# Allegro board pc065b_toplevel_06.brd (continued)
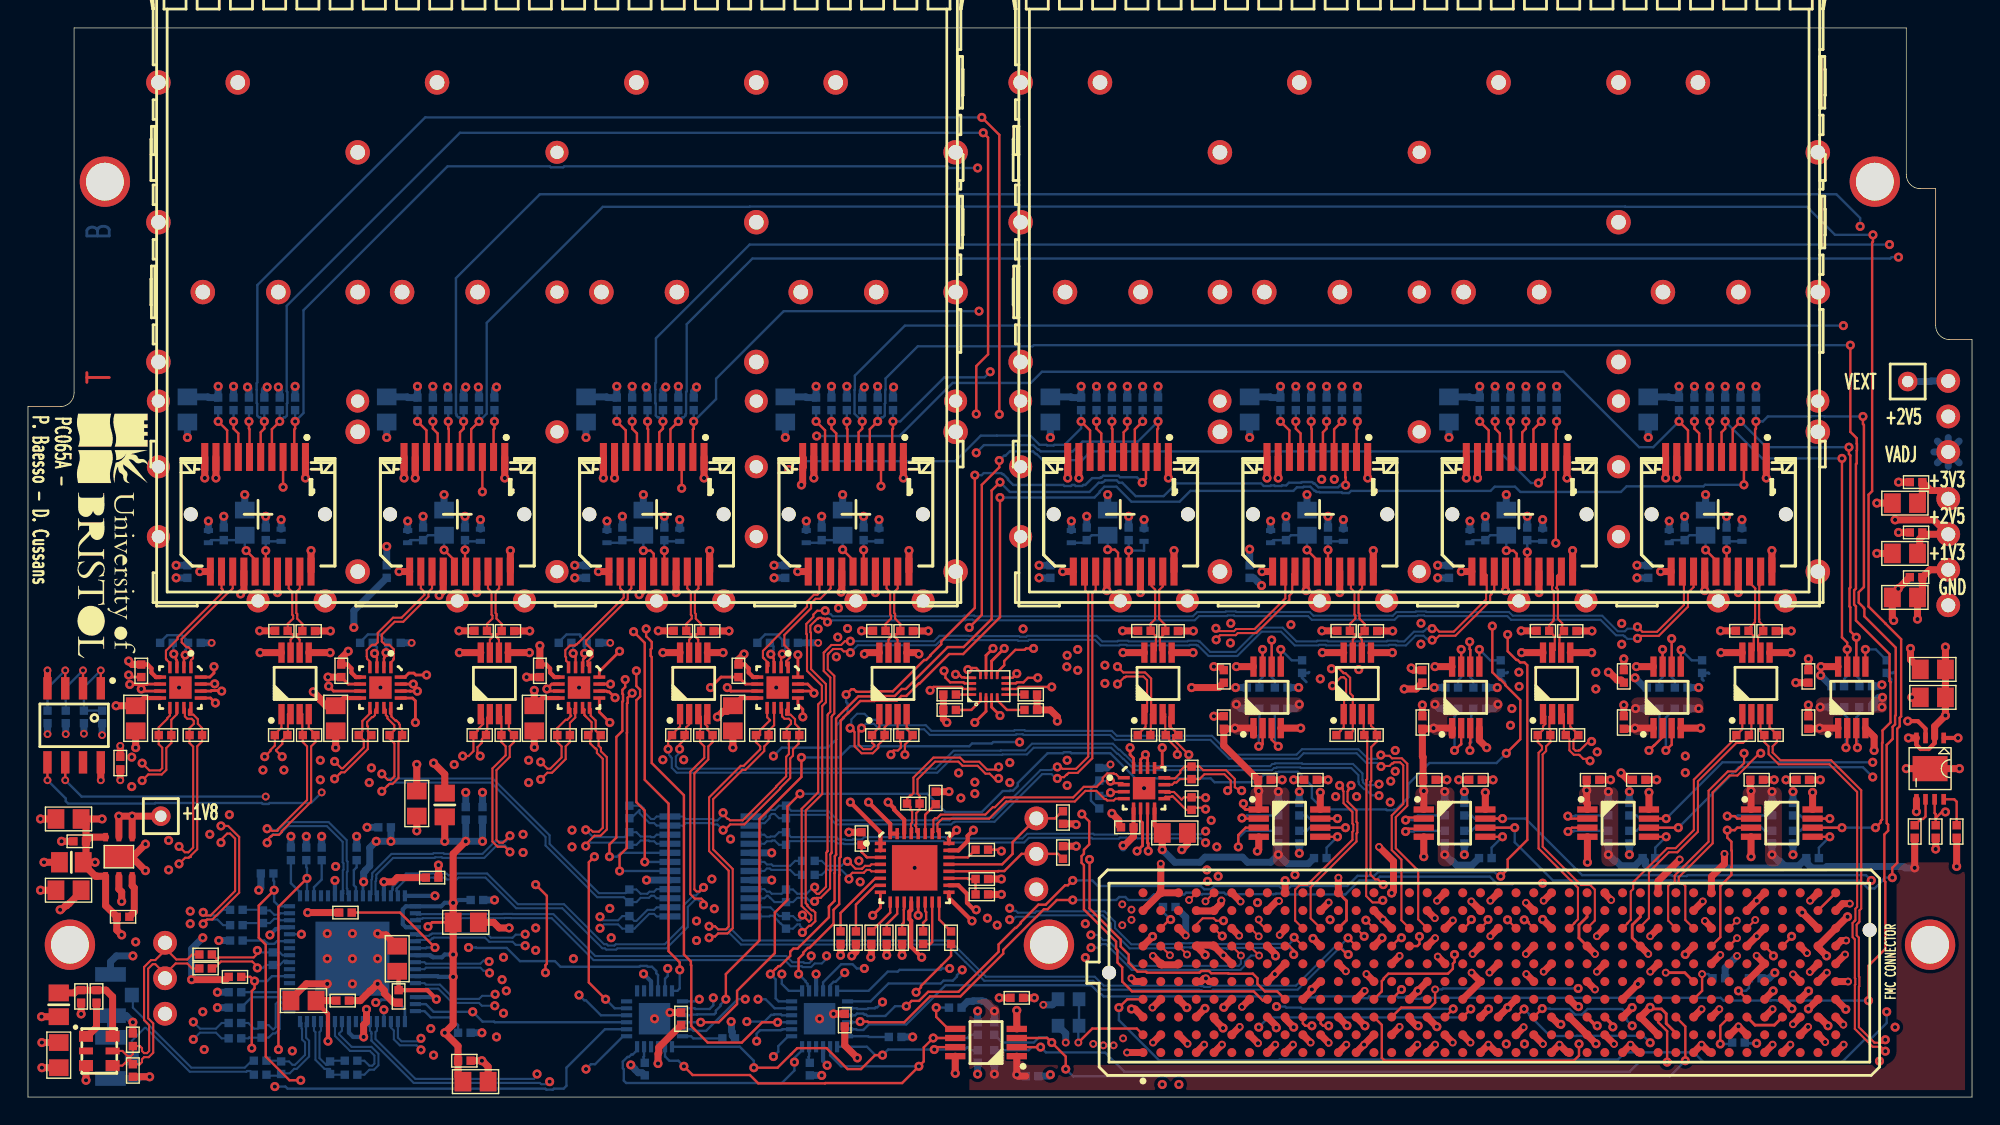
[diagram p0: board, top side]
## Routing (per net, layer and track width the routed paths; a pad name or vN(x,y) marks a point on that pad's centre or on a via; arc(x,y) is an arc through that point) (continued)
  BOTTOM w0.15: v1(28.1,4.2) 28.1,4.14 27.95,3.99 26.71,3.99 26.45,4.25 IC3.50
CLK_MAIN_N<8>: length 72.1
  TOP w0.15: 82.27,10.8 v2(82.87,10.2)
  L3_SIG w0.15: v1(36.4,1.65) 36.45,1.7 37.29,1.7 37.33,1.66 37.53,1.66 38.21,0.99 74.26,0.99 74.31,1.04 78.19,1.04 79.01,1.85 81.23,1.85 81.41,1.67 81.54,1.67 82.29,0.91 v1(82.29,0.9)
  L6_SIG w0.15: v1(82.29,0.9) 81.96,1.23 81.96,9.73 82.17,9.94 82.17,9.96 82.27,10.07 82.27,10.08 82.39,10.2 v2(82.87,10.2)
  BOTTOM w0.15: IC3.53 24.95,4.75 24.85,4.65 24.85,4.15 27.7,1.3 36.19,1.3 v1(36.4,1.65)
CLK_MAIN_P<0>: length 21
  TOP w0.15: v1(17.1,19.2) 17.3,19.2 17.45,19.05 17.82,19.05 17.85,19.08 17.85,19.15 19.95,21.25 19.95,25.09 19.65,25.4 R186.1 19.61,25.94 19.61,27.4 U3.3
  BOTTOM w0.15: v1(17.1,19.2) 17.42,19.2 17.53,19.09 17.89,19.09 18.48,19.68 21.5,19.68 22.79,18.38 22.79,16.91 22.85,16.85 22.85,16.15 22.8,16.1 22.8,14.93 22.84,14.9 22.84,14.52 IC3.24
CLK_MAIN_P<1>: length 23.6
  TOP w0.15: U4.3 33.85,27.23 R188.1 33.85,25.4 34.16,25.09 34.16,24.45 33.21,23.51 33.21,18.28 33.58,17.91 34.09,17.91 v1(34.46,17.54)
  BOTTOM w0.15: v1(34.46,17.54) 34.46,17.64 34.1,18 33.51,18 32.62,17.11 29.63,17.11 29.58,17.16 29.12,17.16 29.07,17.11 26.11,17.11 24.91,15.91 24.91,15.65 24.89,15.63 24.89,15.47 24.85,15.43 24.85,14.5 IC3.28
CLK_MAIN_P<2>: length 42.5
  TOP w0.15: v1(48.3,13.75) 48.3,14.05 48.15,14.2 47.68,14.2 47.36,14.52 47.36,23.28 48.35,24.28 48.35,25.09 48.05,25.4 R190.1 48.05,26.3 48.12,26.37 48.12,27.21 47.92,27.4
  BOTTOM w0.15: IC3.31 26.45,14.63 26.36,14.72 26.36,14.78 26.36,14.78 26.36,14.91 26.39,14.94 26.39,14.94 27.15,15.7 29.01,15.7 29.02,15.7 29.83,15.7 29.96,15.57 30.64,15.57 30.78,15.7 32.71,15.7 34.9,13.51 38.2,13.51 41.07,10.65 41.25,10.65 41.35,10.55 42.05,10.55 42.15,10.65 45.66,10.65 47.17,12.16 47.17,13.6 47.71,14.13 47.92,14.13 v1(48.3,13.75)
CLK_MAIN_P<3>: length 55
  TOP w0.15: v1(61.7,24.5) 61.78,24.58 61.78,24.69 61.89,24.8 62.2,24.8 62.41,25 62.41,25.34 62.35,25.4 R192.1 62.17,26.08 U6.3
  L6_SIG w0.15: v1(61.7,24.5) 61.77,24.57 61.77,24.78 61.5,25.05 61.5,25.16 61.17,25.49 58.49,25.49 57.13,24.13 57.13,12.61 56.81,12.29 56.81,10.39 v1(57.1,10.1)
  BOTTOM w0.15: IC3.35 27.82,12.77 28.2,12.77 28.23,12.8 34.07,12.8 34.09,12.82 34.51,12.82 34.53,12.8 37.44,12.8 40.44,9.8 54.1,9.8 54.54,9.36 55.33,9.36 55.39,9.3 55.99,9.3 56.25,9.56 56.76,9.56 57.1,9.9 v1(57.1,10.1)
CLK_MAIN_P<4>: length 73.9
  TOP w0.15: 81.31,27.21 81.31,25.94 R200.1 81.42,25.9 81.59,25.73 81.59,25.49 82.18,24.91 v1(82.18,24.51) ; 81.31,27.21 81.31,27.4 U10.3 81.31,27.21
  L3_SIG w0.15: v1(35.55,10.83) 35.89,11.18 38.52,11.18 39.41,10.29 47.69,10.29 47.7,10.28 48.38,10.28 48.39,10.29 55.33,10.29 56.28,11.24 70.47,11.24 72.16,12.94 72.17,12.94 72.33,13.09 76.76,13.09 79.17,15.5 84.05,15.5 84.11,15.44 v1(84.34,15.44)
  L6_SIG w0.15: v1(82.18,24.51) 82.18,23.58 83.19,22.57 83.19,17.94 83.22,17.91 83.22,17.49 83.19,17.46 83.19,15.91 83.8,15.3 84.2,15.3 v1(84.34,15.44)
  BOTTOM w0.15: v1(35.55,10.83) 35.49,10.89 34.87,10.89 34.65,11.11 32.98,11.11 32.68,11.41 29.01,11.41 28.95,11.35 28.89,11.35 28.78,11.25 28.11,11.25 28.1,11.24 28.09,11.24 28.08,11.25 27.8,11.25 IC3.38
CLK_MAIN_P<5>: length 87.9
  TOP w0.15: v1(96.87,14.07) 96.72,13.93 96.14,13.93 95.68,14.38 95.68,15.77 95.7,15.79 95.7,22.69 95.75,22.75 95.75,25.75 95.61,25.9 R198.1 95.55,26 95.5,26.05 95.5,27.4 U9.3
  L3_SIG w0.15: v1(96.87,14.07) 96.37,14.07 96,13.7 95.67,13.7 94.56,12.59 94.56,12.51 94.06,12.01 93.98,12.01 89.63,7.66 84.73,7.66 84.64,7.58 83.96,7.58 83.91,7.63 83.76,7.63 83.73,7.66 68.12,7.66 67.64,8.15 59.68,8.15 59.48,7.95 56.73,7.95 56.71,7.93 52.72,7.93 52.7,7.95 49.41,7.95 49.37,7.99 48.63,7.99 48.59,7.95 44.78,7.95 44.77,7.94 43.65,7.94 41.61,7.95 41.57,7.99 40.83,7.99 40.79,7.95 35.72,7.95 34.67,8.99 33.78,8.99 33.58,9.19 33.44,9.19 33.28,9.04 33.16,9.04 v1(33,8.88)
  BOTTOM w0.15: v1(33,8.88) 32.85,9.04 32.57,9.04 32.35,9.26 28.45,9.26 28.35,9.15 IC3.42
CLK_MAIN_P<6>: length 111.9
  TOP w0.15: U8.3 109.81,27.4 109.81,26.04 R196.1 110.21,25.64 110.21,24.81 110.53,24.49 110.89,24.49 110.91,24.47 110.93,24.47 111.2,24.2 111.55,24.2 v1(111.69,24.06)
  L3_SIG w0.15: v1(105.7,3.8) 105.7,4.37 104.67,5.4 101.2,5.4 101,5.6 99.7,5.6 99.63,5.66 94.55,5.66 94.54,5.67 90,5.67 89.93,5.6 88.43,5.6 88.39,5.56 87.61,5.56 87.57,5.6 85.91,5.6 85.86,5.55 85.14,5.55 85.09,5.6 84.64,5.6 84.52,5.48 83.68,5.48 83.6,5.4 80.83,5.4 80.76,5.33 80.04,5.33 79.97,5.4 71.13,5.4 71.06,5.33 70.34,5.33 70.27,5.4 69.58,5.4 69.46,5.28 68.74,5.28 68.62,5.4 68.38,5.4 68.26,5.28 67.54,5.28 67.42,5.4 66.57,5.4 66.38,5.59 65.36,5.59 65.3,5.53 64.58,5.53 64.52,5.59 60.84,5.59 60.18,6.25 59.45,6.25 59.24,6.45 57.89,6.45 57.83,6.51 57.37,6.51 57.31,6.45 56.09,6.45 55.83,6.19 52.62,6.19 52.56,6.13 50.63,6.13 50.55,6.05 47.89,6.05 47.88,6.03 47.07,6.03 46.45,6.65 44.79,6.65 44.27,6.13 38.83,6.13 38.31,6.65 33.54,6.65 33.42,6.53 v1(33.38,6.53)
  L6_SIG w0.15: v1(111.69,24.06) 111.55,24.2 111.2,24.2 111,24.4 110.72,24.4 109.41,23.09 109.41,5.8 109.04,5.43 109.04,5.23 108.53,4.72 108.53,4.56 108.29,4.32 108.11,4.32 107.81,4.01 107.81,3.83 107.56,3.59 107.56,3.57 107.23,3.24 106.26,3.24 v1(105.7,3.8)
  BOTTOM w0.15: v1(33.38,6.53) 32.45,6.53 32.25,6.73 30.36,6.73 29.33,7.76 28.45,7.76 28.35,7.65 IC3.45
CLK_MAIN_P<7>: length 141.5
  TOP w0.15: U7.3 123.88,26.18 R194.1 124.15,25.4 124.45,25.09 124.45,24.53 125.18,23.81 128.81,23.81 130.79,21.83 130.79,13.6 130.66,13.47 130.66,12.67 130.61,12.61 130.61,12.6 130.46,12.45 130.46,11.45 130.62,11.29 130.62,8.51 130.65,8.48 130.65,8.05 130.62,8.02 130.62,4.88 131.9,3.6 132.48,3.6 v1(132.8,3.28)
  L3_SIG w0.15: v1(28.1,3.38) 28.3,3.38 28.39,3.47 28.68,3.47 28.77,3.56 29.63,3.56 29.7,3.49 32.82,3.49 32.87,3.45 33.12,3.45 33.14,3.43 33.86,3.43 33.88,3.45 35.54,3.45 35.62,3.53 37.18,3.53 37.26,3.45 45.45,3.45 45.65,3.25 51.49,3.25 51.51,3.22 51.53,3.22 51.56,3.19 51.68,3.19 51.74,3.13 52.46,3.13 52.58,3.25 52.85,3.25 53.07,3.46 53.53,3.46 53.58,3.42 60.19,3.42 60.39,3.61 61.75,3.61 62.37,2.99 63.91,2.99 64.4,2.5 65.9,2.5 66.09,2.69 71.81,2.69 71.98,2.52 73.92,2.52 73.97,2.56 74.43,2.56 74.48,2.52 75.28,2.52 75.55,2.25 86.92,2.25 87.31,1.85 110.24,1.85 110.29,1.9 115.47,1.9 115.74,1.63 118.76,1.63 119.03,1.9 130.4,1.9 132.1,3.6 132.48,3.6 v1(132.8,3.28)
  BOTTOM w0.15: v1(28.1,3.38) 27.78,3.7 26.59,3.7 26.16,4.13 26.16,4.76 25.95,4.97 IC3.51
CLK_MAIN_P<8>: length 70.9
  TOP w0.15: v2(81.65,10.15) 81,10.8
  L3_SIG w0.15: v1(81.1,0.9) 81.1,1.39 80.95,1.54 79.14,1.54 78.32,0.72 74.44,0.72 74.39,0.68 38.04,0.68 37.99,0.72 37.54,0.72 37.3,0.97 v1(37.3,1.1)
  L6_SIG w0.15: v2(81.65,10.15) 81.65,1.45 v1(81.1,0.9)
  BOTTOM w0.15: IC3.54 24.45,4.75 24.55,4.65 24.55,4.54 24.56,4.53 24.56,4.07 24.55,4.06 24.55,4.03 27.58,1.01 36.6,1.01 36.69,0.92 37.16,0.92 37.27,1.09 v1(37.3,1.1)
CLK_RST_B: length 38
  TOP w0.17: R9.2 15.9,8.6 v1(16.2,8.3) 16.2,7.78 16,7.58 v1(16,3.5)
  L3_SIG w0.17: v1(39.9,2) 39.55,2.35 39.44,2.35 39.38,2.4 36.92,2.4 36.77,2.55 36.03,2.55 35.88,2.4 34.67,2.4 33.92,1.66 20.75,1.66 20.3,2.1 16.91,2.1 16,3.01 v1(16,3.5)
  BOTTOM w0.17: IC3.6 17.45,8.65 17.1,8.3 v1(16.2,8.3) ; v1(39.9,2) 40.25,2.35 40.55,2.35 42.55,4.35 IC23.1
CLK_SI_N<0>: length 5.7
  BOTTOM w0.15: IC3.64 19.57,5.29 19.57,4.9 19.6,4.87 19.6,4.12 19.81,3.91 19.81,3.02 19.1,2.31 18.91,2.31 18.66,2.55 R13.2 18.05,2.6 C22.1
CLK_SI_N<1>: length 5.8
  BOTTOM w0.15: IC3.2 18.61,6.56 18.32,6.56 18.07,6.81 17.86,6.81 17.71,6.66 17.71,5 17.56,4.85 17.51,4.85 17.2,5.15 R14.2 16.45,4.9 16.16,4.9 15.75,5.3 C24.1
CLK_SI_N<2>: length 3.5
  BOTTOM w0.15: IC3.15 18.05,13.15 17.95,13.04 17.61,13.04 17.3,13.35 R15.2 16.75,13.4 C26.1
CLK_SI_N<3>: length 5.5
  BOTTOM w0.15: C28.1 21.65,1.6 R16.2 21.6,2.02 21.2,2.02 20.55,2.66 20.55,4.65 20.45,4.75 IC3.62
CLK_SI_P<0>: length 6.3
  BOTTOM w0.15: IC3.63 19.86,5.31 19.86,5.02 19.89,4.99 19.89,4.24 20.1,4.03 20.1,2.9 19.22,2.02 19.03,2.02 18.71,1.7 18.15,1.7 R13.1 17.98,1.53 17.12,1.53 C21.1
CLK_SI_P<1>: length 5.5
  BOTTOM w0.15: C23.1 15.75,4.2 15.82,4.26 15.83,4.25 R14.1 17.2,4.25 17.51,4.56 17.68,4.56 18,4.87 18,6.47 18.2,6.27 18.59,6.27 IC3.1
CLK_SI_P<2>: length 3.6
  BOTTOM w0.15: C25.1 15.5,12.45 R15.1 17.3,12.45 17.61,12.76 17.95,12.76 18.05,12.65 IC3.14
CLK_SI_P<3>: length 4.8
  BOTTOM w0.15: C27.1 21.65,2.6 R16.1 21.57,2.52 21.57,2.46 21.42,2.3 21.32,2.3 20.84,2.78 20.84,4.65 20.95,4.75 IC3.61
FMC_LA_N<2>: length 99.3
  TOP w0.15: v2(88,12.7) 88,12.52 88.44,12.08 J3.H8 ; U3.2 18.59,27.4 18.59,25.94 R1.2 18.19,25.54 18.19,25.27 17.74,24.82 17.74,24.79 v1(18.17,24.36)
  L3_SIG w0.15: v1(18.17,24.36) 17.78,24.75 17.78,27.68 20.81,30.71 27.39,30.71 27.44,30.66 28.17,30.66 28.27,30.76 28.73,30.76 28.83,30.66 31.24,30.66 31.7,31.12 35.14,31.12 35.27,30.99 35.43,30.99 35.49,30.93 36.22,30.93 36.28,30.99 38.51,30.99 38.62,30.88 39.44,30.88 39.44,30.88 40.16,30.88 40.27,30.99 40.83,30.99 40.96,31.12 41.84,31.12 41.94,31.03 42.66,31.03 42.76,31.12 44.04,31.12 44.47,30.69 53.4,30.69 53.51,30.58 54.19,30.58 54.33,30.72 57.29,30.72 57.37,30.64 57.43,30.64 57.44,30.63 58.16,30.63 58.21,30.67 58.94,30.67 58.99,30.72 64.66,30.72 65.06,31.13 66.8,31.13 66.89,31.22 67.31,31.22 67.4,31.13 73.76,31.13 73.97,30.92 74.15,30.92 v1(74.28,30.79) ; v2(78.9,13.41) 79.33,13.41 79.54,13.2 80.7,13.2 81.31,13.81 82.58,13.81 82.99,13.4 85.03,13.4 85.12,13.49 85.84,13.49 86.63,12.7 v2(88,12.7)
  L6_SIG w0.15: v1(74.28,30.79) 74.15,30.92 73.97,30.92 73.76,31.13 73.47,31.13 73.32,30.98 73.32,30.58 76.6,27.3 76.6,20.96 76.37,20.73 76.37,17.92 77.5,16.78 77.5,13.7 77.92,13.28 78.48,13.28 78.62,13.41 v2(78.9,13.41)
FMC_LA_N<3>: length 102.6
  TOP w0.15: v1(8.16,23.89) 8.68,23.37 9.44,23.37 9.6,23.53 9.6,25 9.35,25.25 R61.1 9.35,26.45 9.96,27.06 9.96,27.11 10.15,27.3 IC4.9 ; v1(90.53,11.43) 91.16,10.8
  L3_SIG w0.15: v1(8.16,23.89) 8.65,23.4 14.31,23.4 16.61,21.1 16.67,21.1 16.79,20.98 17.21,20.98 17.33,21.1 32.76,21.1 32.8,21.14 48.04,21.14 49.7,22.8 66.14,22.8 66.31,22.63 66.71,22.63 67.04,22.3 67.47,22.3 v1(67.7,22.53)
  L6_SIG w0.15: v1(70.19,13.51) 69.85,13.17 69.46,13.17 68.91,13.72 68.91,17.45 68.89,17.47 68.89,21.94 68.56,22.28 67.95,22.28 v1(67.7,22.53)
  BOTTOM w0.15: v1(90.53,11.43) 90.5,11.43 90.35,11.28 90.35,11.11 90.2,10.96 85.75,10.96 85.73,10.94 85.14,10.94 85.11,10.91 84.63,10.91 84.52,11.02 83.09,11.02 83.07,11.01 82.61,11.01 82.59,11.02 82.09,11.02 82.03,10.96 80.67,10.96 80.64,10.93 78.88,10.93 77.73,12.09 77.73,12.53 76.97,13.29 72.1,13.29 72,13.19 70.78,13.19 70.64,13.32 70.49,13.32 70.4,13.42 70.28,13.42 v1(70.19,13.51)
FMC_LA_N<4>: length 84.8
  TOP w0.15: J3.H11 91.71,12.79 91.71,15.01 94.99,18.29 94.99,18.86 95.05,18.92 95.05,19.63 94.99,19.69 94.99,20.51 94.35,21.15 94.35,21.87 94.41,21.92 94.41,21.99 94.6,22.18 v1(94.6,22.3) ; v1(32.33,24.4) 32.12,24.61 32.14,24.63 32.14,25.04 32.45,25.35 32.45,25.6 R187.2 32.75,26.2 32.84,26.29 32.84,27.15 32.89,27.2 32.89,27.26 33.02,27.4
  L3_SIG w0.15: v1(94.6,22.3) 94.61,22.31 94.61,22.93 94.4,23.14 94.4,23.54 94.07,23.87 93.73,23.87 93.31,24.29 87.59,24.29 87.47,24.4 85.1,24.4 82.58,26.92 82.32,26.92 82.27,26.97 81.55,26.97 81.55,26.97 80.73,26.97 80.73,26.96 79.93,26.96 79.89,26.92 79.72,26.92 78.78,25.98 73.39,25.98 72.22,24.83 69.56,24.83 69.53,24.8 68.1,24.8 67.7,24.4 65.96,24.4 65.36,23.8 55.59,23.8 55.53,23.74 55.07,23.74 55.02,23.79 48.98,23.79 47.7,22.5 37.9,22.5 37.18,21.78 33.87,21.78 31.93,23.72 31.93,24 v1(32.33,24.4)
FMC_LA_N<6>: length 24.9
  TOP w0.17: 92.42,5.73 92.42,5.27 92.59,5.1 v1(93,5.1) ; v1(86.8,19.97) 86.84,19.93 IC12.2
  L3_SIG w0.17: v1(93.1,12.69) 92.41,12.69 92.4,12.7 89.13,12.7 v1(87.91,13.91)
  L6_SIG w0.17: v1(93,5.1) 93,5.65 93.1,5.75 v1(93.1,12.69) ; v1(87.91,13.91) 87.91,15.19 87.11,15.99 87.11,18.36 87.18,18.43 87.18,18.87 87.1,18.94 87.1,19 86.8,19.3 v1(86.8,19.97)
  BOTTOM w0.17: v1(86.8,19.97) 86.97,19.97 87.15,20.15 R137.1
FMC_LA_N<7>: length 71.4
  TOP w0.15: U5.2 47.27,26.66 47.05,26.44 47.05,26 R189.2 47.05,25.8 47.05,25.69 46.59,25.23 v1(46.59,24.9) ; J3.H14 v1(95.66,12.66)
  L6_SIG w0.15: v1(96.6,22.39) 96.69,22.3 96.8,22.3 97,22.1 97.15,22.1 97.2,22.04 97.69,22.04 98.27,21.46 98.27,20.74 97.89,20.36 97.89,17.89 95.19,15.19 95.19,14.29 94.83,13.93 94.83,12.44 94.98,12.29 95.22,12.29 v1(95.66,12.66)
  BOTTOM w0.15: v1(96.6,22.39) 96.53,22.32 95.65,22.32 95.45,22.52 95.45,22.65 95.42,22.69 95.42,23.16 94.74,23.84 91.13,23.84 91.09,23.88 89.17,23.88 89.12,23.84 88.97,23.84 88.82,23.68 79.26,23.68 78.45,24.48 78.42,24.48 78.06,24.85 78,24.85 77.57,25.29 71.78,25.29 71.31,24.8 69.57,24.8 69.54,24.78 66.18,24.78 64.9,23.5 46.5,23.5 46.32,23.68 46.32,24.37 46.5,24.55 46.5,24.81 46.59,24.9 v1(46.59,24.9)
FMC_LA_N<8>: length 70
  TOP w0.15: v1(94.39,11.38) 94.97,10.8 ; IC7.9 52.85,27.18 53.06,26.97 53.06,26.97 52.35,26.26 52.35,25.9 R73.1 52.05,25.4 52.35,25.09 52.35,24.88 51.17,23.7 50.96,23.7 48.7,21.44 48.7,17.6 50.1,16.2 50.1,12.2 49.9,12 49.35,12 49.13,12.22 v1(48.7,12.22)
  BOTTOM w0.15: v1(94.39,11.38) 93.89,10.89 93.58,10.89 90.66,7.97 84.6,7.97 84.51,7.88 84.09,7.88 84.03,7.94 83.89,7.94 83.86,7.97 76.92,7.97 76.28,8.61 68.49,8.61 67.15,9.95 67.15,9.95 65.9,11.2 51.1,11.2 50.3,12 49.35,12 49.13,12.22 v1(48.7,12.22)
FMC_LA_N<9>: length 25.2
  TOP w0.17: J3.D15 v1(98.2,7.7) ; v1(102,24.8) 102.47,25.27 ; 102.47,25.27 102.47,25.23 ; 102.47,25.27 IC18.2
  L6_SIG w0.17: v1(102,24.8) 100.2,23 100.2,22.31 100.37,22.14 100.37,21.66 100.2,21.49 100.2,17.61 100.37,17.44 100.37,16.96 100.1,16.69 100.1,13.05 100.06,13.02 100.06,12.58 100.1,12.55 100.1,11.6 100.09,11.59 100.09,9.19 98.94,8.04 98.55,8.04 v1(98.2,7.7)
  BOTTOM w0.17: R162.1 102.25,27.49 102,27.24 v1(102,24.8)
FMC_LA_N<10>: length 31.8
  TOP w0.17: v1(110.1,20.1) 110.28,19.93 IC15.2 ; v2(100.61,7.7) 100.61,6.76 100.25,6.4 98.18,6.4 97.5,5.73
  L6_SIG w0.17: v1(110.84,7.77) 110.84,8.31 110.89,8.35 110.89,19.31 v1(110.1,20.1)
  BOTTOM w0.17: v2(100.61,7.7) 101.1,7.7 101.17,7.77 v1(110.84,7.77) ; v1(110.1,20.1) 110.6,20.1 110.65,20.15 R147.1
FMC_LA_N<11>: length 62
  TOP w0.15: J3.H17 99.4,12.72 99.4,16.2 97.8,17.8 97.8,20.03 98.62,20.85 98.62,23.85 98.23,24.24 97.53,24.24 97.35,24.42 96.78,24.42 v1(96.73,24.47) ; v1(58.78,26.4) 58.87,26.4 59.04,26.23 59.04,26.18 59.1,26.12 59.1,25.1 59.6,24.6 60.4,24.6 60.8,25 60.8,25.2 61.25,25.65 R191.2 61.25,26.45 61.5,26.7 61.52,26.7 U6.2
  BOTTOM w0.15: v1(96.73,24.47) 96.45,24.2 95.81,24.2 95.12,24.89 91.09,24.89 90.7,24.5 86.01,24.5 84.66,25.85 77.85,25.85 77.5,26.2 71.3,26.2 71.25,26.25 70.55,26.25 70.5,26.2 64.59,26.2 64.19,26.61 61.01,26.61 60.61,27 60.24,27 59.81,27.42 59.28,27.42 58.87,27.02 58.87,26.49 v1(58.78,26.4)
FMC_LA_N<12>: length 14.4
  TOP w0.17: IC14.2 99.72,20 98.7,20 98.52,19.82 v1(98.5,19.82) ; 98.78,10.8 99.34,10.8 99.49,10.95 v1(99.49,11.49)
  L6_SIG w0.17: v1(99.49,11.49) 99.11,11.87 99.11,19.21 v1(98.5,19.82)
  BOTTOM w0.17: R142.1 99.37,20.15 99.04,19.82 v1(98.5,19.82)
FMC_LA_N<14>: length 42.8
  TOP w0.17: 88.28,25.27 88.28,25.23 ; 88.28,25.27 88.28,26.4 ; 88.28,25.27 88.2,25.2 88.1,25.2 v1(88,25.1) ; J3.C19 v1(103.16,6.3)
  L6_SIG w0.17: v1(88,5) 88,6.94 88.5,7.44 88.5,9.79 88.57,9.86 88.57,10.34 88.53,10.38 88.53,11.72 88.5,11.74 88.5,12.46 88.53,12.48 88.53,12.92 88.5,12.94 88.5,13.56 88.48,13.58 88.48,21.08 88.24,21.33 87.76,21.33 87.43,21.66 87.43,22.14 87.76,22.47 88.24,22.47 88.53,22.76 88.53,24.58 v1(88,25.1)
  BOTTOM w0.17: R157.1 88.05,25.91 88,25.86 v1(88,25.1) ; v1(88,5) 88.7,5.7 102.56,5.7 v1(103.16,6.3)
FMC_LA_N<15>: length 55.3
  TOP w0.15: 103.86,12.08 104.39,12.61 v1(104.39,12.7) ; v1(77.9,30.8) 78.32,30.38 79.87,30.38 80.31,29.95 80.31,27.57 U10.2 80.28,27.4 80.28,25.94 R199.2
  L3_SIG w0.15: v1(106.1,27.8) 106.1,27.5 105.86,27.26 103.35,27.26 103.31,27.27 100.31,27.27 100.29,27.29 99.21,27.29 98.09,28.41 93.29,28.41 92.33,29.36 92.17,29.36 91.84,29.69 91.84,29.86 91.46,30.23 78.46,30.23 v1(77.9,30.8)
  L6_SIG w0.15: v1(104.39,12.7) 103.91,13.18 103.91,13.54 104.03,13.66 104.03,14.34 103.91,14.46 103.91,15.5 104.76,16.35 104.76,20.92 107.21,23.37 107.21,26.58 106.4,27.39 106.4,27.5 v1(106.1,27.8)
FMC_LA_N<18>: length 37.5
  TOP w0.17: v1(115.9,24.8) 116.27,25.17 116.29,25.17 116.88,25.75 IC19.2 ; v1(108.27,6.33) J3.C23
  L6_SIG w0.17: v1(114.7,5.1) 115.91,5.1 118.47,7.66 118.47,9.37 119.3,10.2 119.3,11.99 118.77,12.52 118.77,20.23 117.1,21.9 117.1,23.6 v1(115.9,24.8)
  BOTTOM w0.17: R167.1 116.65,25.55 v1(115.9,24.8) ; v1(114.7,5.1) 114.32,5.48 114.32,5.97 113.99,6.3 111.51,6.3 111.14,5.93 111.13,5.93 111.1,5.9 110.63,5.9 110.23,6.3 108.84,6.3 108.81,6.33 v1(108.27,6.33)
FMC_LA_N<19>: length 40.1
  TOP w0.15: v1(93.2,30.65) 93.75,30.65 94.02,30.38 94.04,30.38 94.09,30.33 94.21,30.33 94.53,30 94.53,28.89 94.72,28.7 U9.2 94.72,26.18 R197.2 ; 107.67,12.08 107.3,12.44 107.3,12.53 107.15,12.68 v1(106.98,12.68)
  L3_SIG w0.15: v1(106.6,30.4) 100.99,30.4 100.83,30.24 99.23,30.24 99.13,30.14 98.53,30.14 98.48,30.09 95.55,30.09 95.49,30.03 94.92,30.03 94.86,30.09 93.62,30.09 93.21,30.46 v1(93.2,30.65)
  L6_SIG w0.15: v1(106.6,30.4) 107.16,30.4 107.4,30.16 107.4,30.16 107.88,29.68 107.88,18.94 106.5,17.56 106.5,13.16 v1(106.98,12.68)
FMC_LA_N<21>: length 17.8
  TOP w0.15: 111.47,12.08 112.03,12.63 112.03,14.85 111.7,15.17 111.04,15.17 108.3,17.91 108.3,24.52 108.55,24.76 108.55,25.09 108.85,25.4 R195.2 108.85,26.3 108.78,26.37 108.78,27.21 U8.2
FMC_LA_N<24>: length 19.2
  TOP w0.15: U7.2 123.22,26.08 R193.2 123.05,25.76 122.63,25.34 122.15,25.34 119.4,22.59 119.4,18.99 117.93,17.52 117.33,17.52 115.9,16.09 115.9,12.8 115.28,12.19 115.28,12.08
FMC_LA_N<27>: length 76.5
  TOP w0.17: v1(70.7,30.3) 70.4,30 IC21.8
  TOP w0.254: v1(113.32,5.02) 113.3,5.04 113.3,5.17 J3.C27
  L3_SIG w0.17: v1(70.7,30.3) 71.2,30.8 72.4,30.8 73.19,30.01 74.78,30.01 74.82,29.97 75.29,29.97 75.63,30.3 75.63,30.36 76,30.73 76,31.6 77.1,32.7 80.9,32.7 81.1,32.5 83.93,32.5 84.54,31.88 87.11,31.88 87.6,31.4 90.6,31.4 91.9,32.7 92.92,32.7 93.02,32.6 97.6,32.6 98.36,31.84 99.83,31.84 99.88,31.88 100.39,31.88 100.63,32.13 100.64,32.13 101.53,33.02 102.72,33.02 102.83,33.13 102.83,33.13 102.85,33.15 103.32,33.15 103.44,33.02 105.07,33.02 105.56,32.53 106.04,32.53 106.08,32.58 109.92,32.58 v1(112.1,30.39)
  L6_SIG w0.2: v1(112.1,30.39) 112.49,30 112.57,30 112.76,29.81 112.82,29.81 113.7,28.94 113.7,28.48 113.52,28.3 113.52,27.81 113.66,27.67 113.66,24.27 114.48,23.44 114.48,22.69 113.7,21.9 113.7,17.22 113.24,16.76 113.24,16 114.22,15.02 114.22,6.76 114.11,6.65 114.11,6.61 113.4,5.9 113.4,5.65 113.32,5.57 v1(113.32,5.02)
FMC_LA_N<28>: length 128.9
  TOP w0.15: 119.09,12.08 118.5,12.67 118.5,15.1 118.35,15.25 118.18,15.25 118.03,15.4 118.03,15.73 120.45,18.16 120.45,21.8 121.66,23.01 122.23,23.01 122.99,23.77 122.99,23.79 123.8,24.6 v1(123.89,24.6) ; v1(21.92,24.02) 22.41,23.53 22.52,23.53 24.01,25.02 24.01,25.54 R65.1 23.91,26.16 23.91,26.91 24.48,27.48 24.52,27.48 24.52,27.58 24.46,27.63 24.46,27.64 24.45,27.65 IC5.9
  L3_SIG w0.15: v1(123.89,24.6) 123.29,25.2 123.29,25.37 122.96,25.7 113.1,25.7 112.5,26.3 112.18,26.3 112.16,26.32 111.44,26.32 111.42,26.3 109.97,26.3 109.52,25.85 104.88,25.85 104.63,26.1 101.96,26.1 101.67,25.81 99.29,25.81 97.82,27.29 86.13,27.29 86.12,27.3 85.91,27.3 85.66,27.55 85.66,27.61 85.15,28.12 85.08,28.12 85,28.2 82.8,28.2 82.79,28.21 74.4,28.21 74.22,28.39 72.98,28.39 72.79,28.2 55.83,28.2 55.66,28.37 54.94,28.37 54.77,28.2 47.3,28.2 47.1,28 42.09,28 42.03,27.94 41.99,27.94 41.96,27.92 41.5,27.92 41.42,28 27,28 22.57,23.57 22.37,23.57 v1(21.92,24.02)
FMC_LA_N<30>: length 108.7
  TOP w0.15: IC6.9 38.71,27.85 38.79,27.77 38.79,27.33 38.84,27.28 38.56,27 38.45,27 37.85,26.4 R69.1 37.85,25.4 38.16,25.09 38.16,24.3 37.35,23.5 37.14,23.5 v1(36.66,23.97) ; 122.91,12.08 v2(123.5,12.67)
  L3_SIG w0.15: v1(118.5,24.4) 118.25,24.15 118.04,24.15 117.96,24.07 113.54,24.07 113.53,24.06 112.96,24.06 112.2,23.3 110.33,23.3 109.63,24 99.8,24 98,25.8 90.87,25.8 90.83,25.84 89.88,25.84 89.76,25.97 89.04,25.97 88.91,25.84 88.49,25.84 88.36,25.97 87.64,25.97 87.51,25.84 86.07,25.84 85.88,26.02 84.97,26.02 83.42,27.58 82.54,27.58 82.53,27.59 74.14,27.59 73.96,27.77 73.24,27.77 72.73,27.26 72.73,27.2 71.83,26.3 68.43,26.3 67.83,25.7 54.1,25.7 53.77,26.03 53.58,26.03 49.15,26.08 44.58,26.08 42.09,23.59 37.05,23.59 v1(36.66,23.97)
  L6_SIG w0.15: v2(123.5,12.67) 123.23,12.67 123,12.9 123,14.7 122.64,15.06 122.64,17.43 123,17.79 123,21.18 120.17,24.01 118.99,24.01 118.97,24.04 118.86,24.04 v1(118.5,24.4)
FMC_LA_N<31>: length 15.8
  TOP w0.17: 121.64,10.8 v2(122.2,11.37) ; IC16.2 122.21,19.93 122.04,20.1 v1(121.5,20.1)
  L6_SIG w0.17: v2(122.2,11.37) 121.53,11.37 120.78,12.12 120.78,19.38 v1(121.5,20.1)
  BOTTOM w0.17: v1(121.5,20.1) 122.2,20.1 122.25,20.15 R152.1
FMC_LA_N<33>: length 20.8
  TOP w0.17: IC20.2 130.07,25.09 v1(129.98,25) ; v1(126.1,11.5) 126.1,11.46 J3.G37
  L6_SIG w0.17: v1(126.1,11.5) 130.22,15.62 130.22,18.99 130.27,19.04 130.27,19.51 130.07,19.71 130.07,24.37 129.98,24.46 v1(129.98,25)
  BOTTOM w0.17: R172.1 129.85,27.39 130.07,27.16 130.07,25.63 129.98,25.54 v1(129.98,25)
FMC_LA_P<1>: length 38.3
  TOP w0.17: v1(72.2,30) 71.5,30 71.17,29.67 70.71,29.67 70.64,29.6 IC21.7 ; v1(75.35,20.25) 75.88,19.72 75.88,18.07 75.5,17.69 75.5,17.41 75.33,17.24 75.33,16.76 75.5,16.59 75.5,13.43 77.8,11.13 77.8,10.6 77.9,10.5 77.9,9.63 78.24,9.29 78.24,8.26 78.94,7.56 87.64,7.56 88.29,6.91 88.53,6.91 J3.D8
  L6_SIG w0.17: v1(72.2,30) 72.2,29.4 75.5,26.1 75.5,20.94 75.35,20.79 v1(75.35,20.25)
FMC_LA_P<2>: length 101.2
  TOP w0.15: v1(16.93,24.36) 17.34,24.77 17.34,24.84 17.65,25.15 R1.1 17.65,25.96 18.12,26.44 18.12,27.4 ; J3.H7 87.42,12.08 v2(88,11.5)
  L3_SIG w0.15: v1(74.3,31.61) 74.29,31.61 74.25,31.65 73.97,31.65 73.76,31.44 67.53,31.44 67.44,31.52 66.76,31.52 66.67,31.44 64.94,31.44 64.53,31.03 58.86,31.03 58.81,30.98 58.08,30.98 58.03,30.94 57.57,30.94 57.56,30.95 57.5,30.95 57.42,31.03 54.2,31.03 54.06,30.89 53.64,30.89 53.53,31 44.6,31 44.16,31.44 42.63,31.44 42.53,31.34 42.07,31.34 41.97,31.44 40.84,31.44 40.7,31.3 40.15,31.3 40.03,31.19 39.57,31.19 39.46,31.3 39.32,31.3 39.21,31.19 38.75,31.19 38.64,31.3 36.15,31.3 36.09,31.24 35.62,31.24 35.56,31.3 35.4,31.3 35.27,31.44 31.57,31.44 31.11,30.97 28.96,30.97 28.86,31.07 28.14,31.07 28.04,30.97 27.57,30.97 27.52,31.02 20.68,31.02 17.47,27.81 17.47,25.86 17.42,24.85 v1(16.93,24.36) ; v2(88,11.5) 87.56,11.95 87.56,12.24 87.41,12.39 86.5,12.39 85.71,13.18 85.25,13.18 85.16,13.09 82.86,13.09 82.45,13.5 81.44,13.5 80.83,12.89 79.54,12.89 79.33,12.68 v2(78.9,12.68)
  L6_SIG w0.15: v1(74.3,31.61) 74.29,31.61 74.25,31.65 73.97,31.65 73.76,31.44 73.34,31.44 73.01,31.1 73.01,30.45 76.29,27.17 76.29,21.09 76.06,20.86 76.06,17.79 77.19,16.66 77.19,13.57 77.95,12.82 78.48,12.82 78.62,12.68 v2(78.9,12.68)
FMC_LA_P<3>: length 103.1
  TOP w0.15: v1(8.16,22.65) 8.6,23.08 9.56,23.08 9.89,23.41 9.89,24.98 10.25,25.34 R61.2 10.25,26.99 10.65,27.39 IC4.10 ; v1(90.5,10.2) 90.5,10.51 90.2,10.8 89.89,10.8
  L3_SIG w0.15: v1(8.16,22.65) 8.61,23.09 14.18,23.09 16.48,20.79 16.54,20.79 16.66,20.68 17.34,20.68 17.46,20.79 32.89,20.79 32.93,20.83 48.17,20.83 49.83,22.49 66.01,22.49 66.18,22.32 66.58,22.32 66.91,21.99 67.45,21.99 67.47,21.97 67.53,21.97 67.7,21.8 v1(67.7,21.71)
  L6_SIG w0.15: v1(67.7,21.71) 67.96,21.97 68.43,21.97 68.58,21.82 68.58,17.34 68.6,17.32 68.6,13.59 69.33,12.86 69.98,12.86 69.98,12.86 70.01,12.87 v1(70.19,12.69)
  BOTTOM w0.15: v1(70.19,12.69) 70.26,12.76 70.5,12.76 70.64,12.9 72.12,12.9 72.22,13 76.85,13 77.44,12.41 77.44,11.97 78.76,10.64 80.76,10.64 80.79,10.67 82.15,10.67 82.21,10.73 82.47,10.73 82.51,10.7 82.64,10.7 82.66,10.71 83.08,10.71 83.1,10.7 83.17,10.7 83.21,10.73 84.4,10.73 84.51,10.62 85.06,10.62 85.09,10.59 85.2,10.59 85.26,10.65 85.69,10.65 85.75,10.59 85.79,10.59 85.87,10.67 90.2,10.67 90.35,10.52 90.35,10.35 v1(90.5,10.2)
FMC_LA_P<4>: length 86
  TOP w0.15: J3.H10 90.6,12.63 90.6,14.85 90.92,15.17 91.46,15.17 94.7,18.41 94.7,18.98 94.76,19.04 94.76,19.51 94.7,19.57 94.7,20.39 94.06,21.03 94.06,21.88 94.02,21.92 94.02,22.05 93.87,22.2 93.87,22.21 v1(93.78,22.3) ; U4.1 32.38,27.25 32.49,27.13 32.49,27.11 32.55,27.06 32.55,26.7 32.15,26.3 32.15,26.2 R187.1 31.85,24.75 31.5,24.4 v1(31.08,24.4)
  L3_SIG w0.15: v1(31.08,24.4) 31.62,23.86 31.62,23.59 33.74,21.47 37.31,21.47 38.03,22.19 47.83,22.19 49.11,23.48 54.89,23.48 54.94,23.43 55.66,23.43 55.72,23.49 65.49,23.49 66.09,24.09 67.83,24.09 68.23,24.49 69.66,24.49 69.69,24.52 72.35,24.52 73.51,25.68 78.91,25.68 79.85,26.62 80.02,26.62 80.06,26.65 80.85,26.65 80.86,26.66 81.68,26.66 81.68,26.66 82.15,26.66 82.19,26.62 82.45,26.62 84.97,24.09 87.34,24.09 87.46,23.98 93.19,23.98 93.6,23.56 93.94,23.56 94.09,23.41 94.09,23.14 93.88,22.93 93.88,22.4 v1(93.78,22.3)
FMC_LA_P<6>: length 24.2
  TOP w0.17: 91.16,5.73 91.16,5.27 91.33,5.1 v1(91.8,5.1) ; v1(86.54,17.9) 86.54,18.75 87.06,19.27 IC12.3
  L3_SIG w0.17: v1(86.54,17.9) 86.54,17.26 87.4,16.4 90.09,16.4 v1(90.59,15.9)
  L6_SIG w0.17: v1(90.59,15.9) 90.59,13.37 91.1,12.86 91.1,9.86 90.76,9.52 90.76,6.14 v1(91.8,5.1)
  BOTTOM w0.17: R136.1 87.05,19.05 86.54,18.54 v1(86.54,17.9)
